# Altium PCB PCB1.PcbDoc
Units mm, origin at the board's own origin, x right, y up, seen from the top; angles counter-clockwise.
Board outline 65 x 31.07 mm, 2 copper layers (Top Layer, Bottom Layer); 15 components, 17 nets, 91 pads, 20 vias.
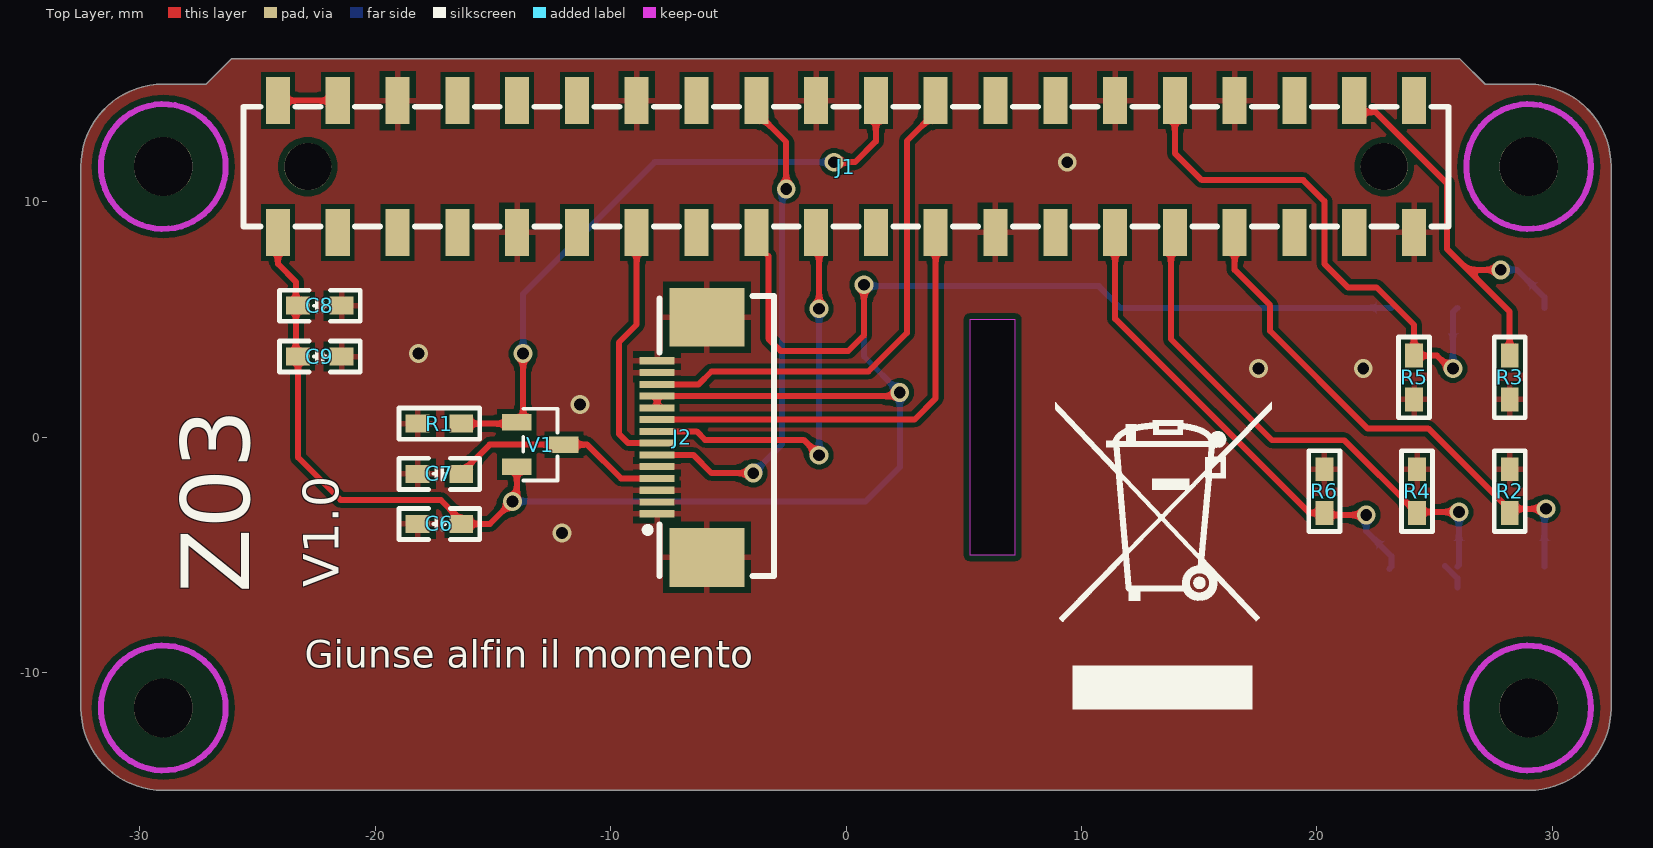
[diagram p0: Top Layer view]
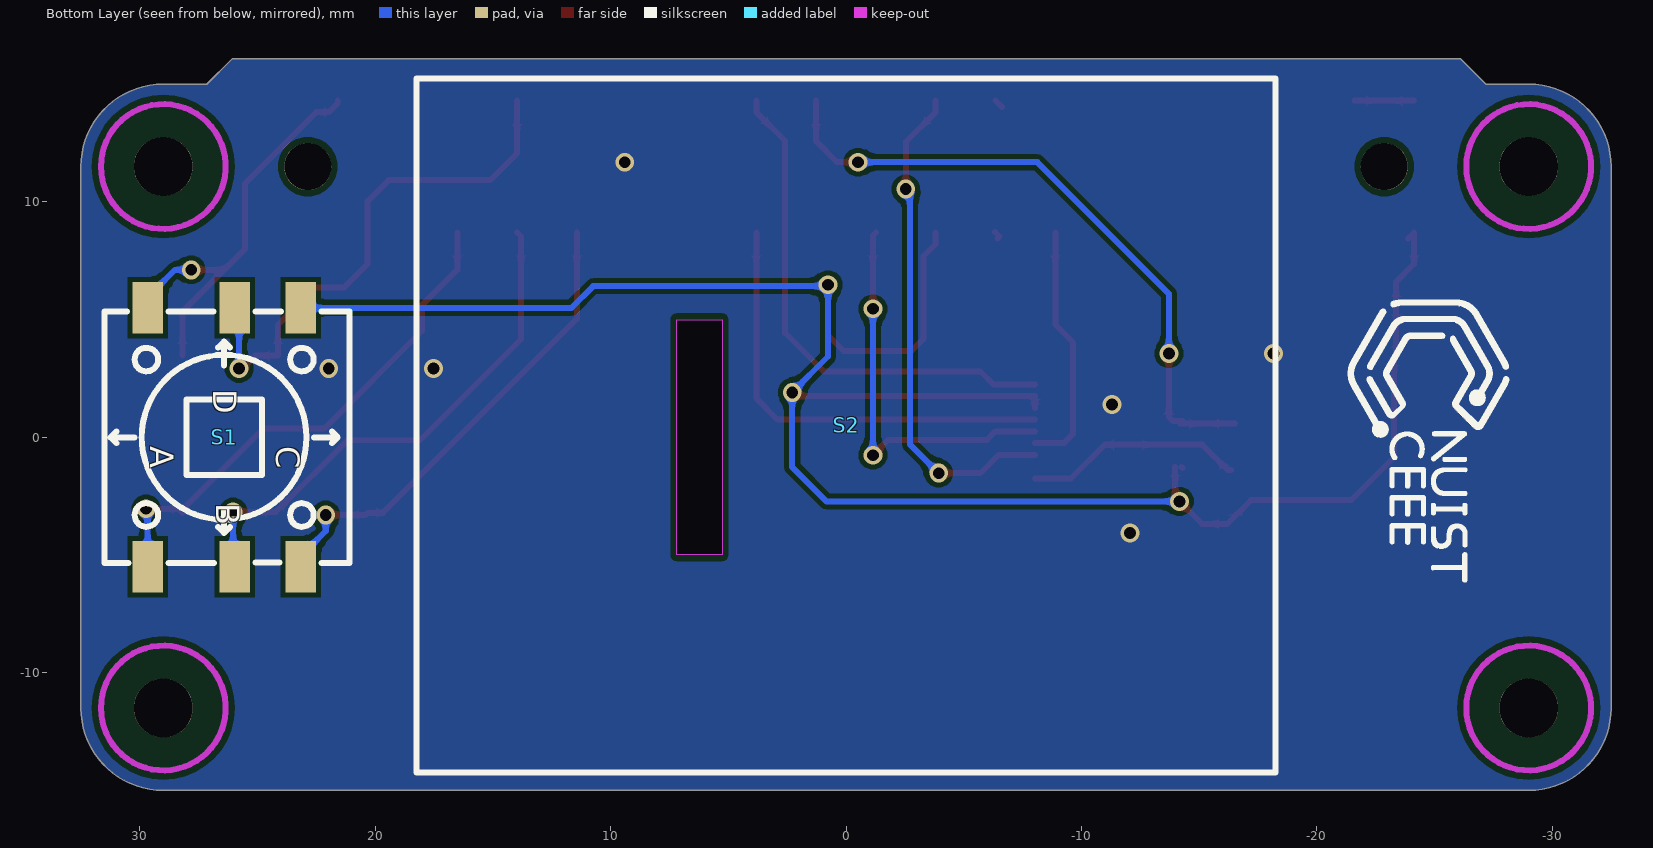
[diagram p1: Bottom Layer view, seen from below]
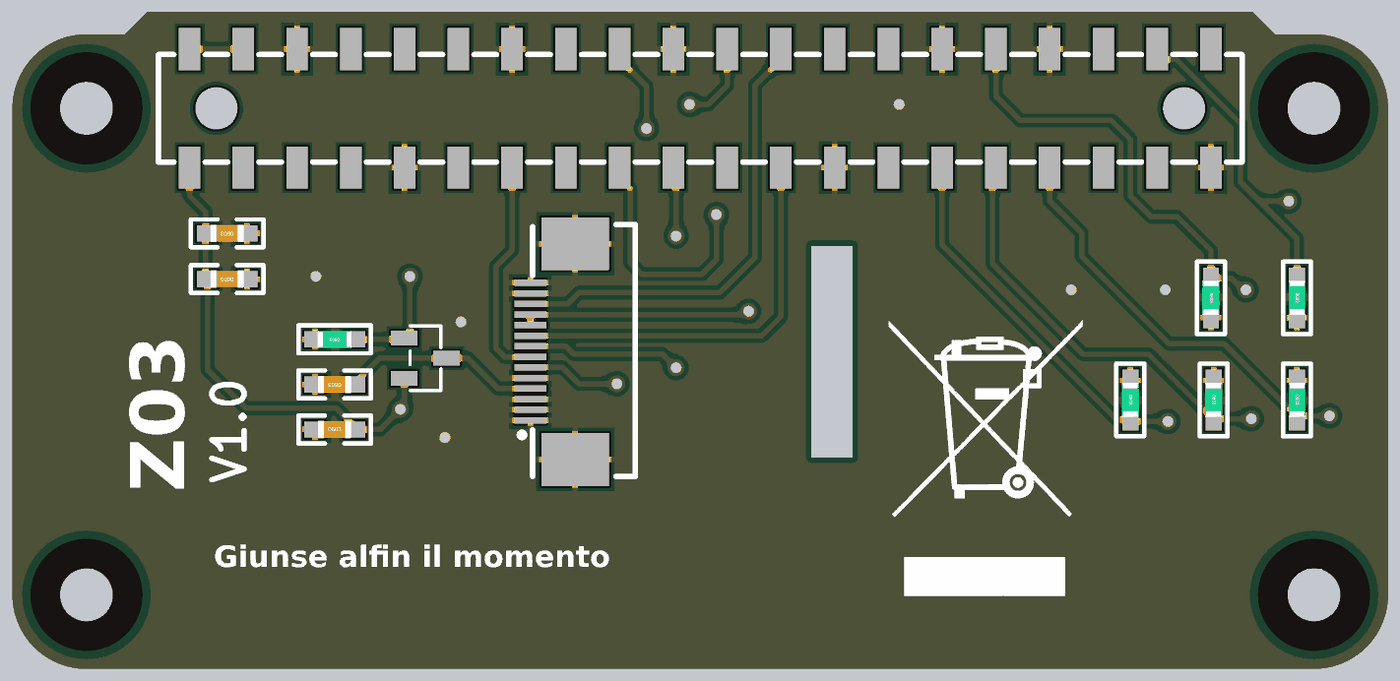
[diagram p2: 3D render of the assembled board from above, using the file's embedded part models]

## Layer stack, top to bottom
Top Solder: solder mask 0.0102, Solder Resist, Dk 3.5
Top Layer: signal copper 0.0356
Dielectric 1: dielectric 0.32, FR-4, Dk 4.8
Bottom Layer: signal copper 0.0356
Bottom Solder: solder mask 0.0102, Solder Resist, Dk 3.5

## Board outline
-32.5,-11.5 ccw(c-29,-11.5) -29,-15 29,-15 ccw(c29,-11.5) 32.5,-11.5 32.5,11.5 ccw(c29,11.5) 29,15 27.151,15 26.079,16.072 -26.118,16.072 -27.19,15 -29,15 ccw(c-29,11.5) -32.5,11.5
cut-out: 5.254,-5 7.195,-5 7.195,5 5.254,5

## Design rules (kind name [scope] priority, off if disabled: settings)
Clearance [All] p1: gap=0.254 ignorepadtopadclearanceinfootprint=TRUE except(0: Arc-Hole Track-Hole SMDPad-Hole THPad-Hole Via-Hole Fill-Hole Poly-Hole Region-Hole Text-Hole; 0.2: Arc-Arc Arc-Track Arc-SMDPad Track-Track Track-SMDPad Track-Poly SMDPad-Poly Via-Poly)
PolygonConnect [All] p1: thpad.connectstyle=Relief thpad.reliefconductorwidth=0.254 thpad.reliefentries=4 thpad.polygonreliefangle="90 Angle" thpad.airgapwidth=0.254 smdpad.connectstyle=Relief smdpad.reliefconductorwidth=0.254 smdpad.reliefentries=4 smdpad.polygonreliefangle="90 Angle" smdpad.airgapwidth=0.254 via.connectstyle=Direct via.reliefconductorwidth=0.254 via.reliefentries=4 via.polygonreliefangle="90 Angle" via.airgapwidth=0.254
RoutingVias [All] p1: holewidth=0.711 width=1.27 viastyle="Through Hole" minholewidth=0.711 minwidth=1.27 maxholewidth=0.711 maxwidth=1.27
SolderMaskExpansion [All] p1: expansion=0.102 istentingtop=FALSE
Width [All] p1: maxlimit=0.254 minlimit=0.254 preferedwidth=0.254
30 further rules are at their usual default settings.

## Components (designator, comment, footprint, x,y, rotation, side; value= is the part's Value field where it differs from the comment)
C6 "10uF" "C 0603_M" -17.272,-3.683 r0 top
C7 "10uF" "C 0603_M" -17.272,-1.553 r180 top
C8 "10nF" "C 0603_M" -22.352,5.588 r180 top
C9 "100nF" "C 0603_M" -22.352,3.429 r180 top
J1 "RPI HEADER" "HEADER 2*20 SMD BACK" 0,11.5 r0 top locked
J2 "LCD 1.44" FPC-14PIN-0.5 -6.902,0 r90 top locked
R1 "10K" "R 0603-HP" -17.272,0.578 r180 top
R2 "10K" "R 0603-HP" 28.194,-2.286 r270 top
R3 "10K" "R 0603-HP" 28.194,2.54 r270 top
R4 "10K" "R 0603-HP" 24.257,-2.286 r270 top
R5 "10K" "R 0603-HP" 24.13,2.54 r270 top
R6 "10K" "R 0603-HP" 20.32,-2.286 r270 top
S1 "5D SWITCH" "5D SWITCH" 26.416,0 r270 bottom locked
S2 "SCREEN" SCREEN 0,0.5 r0 bottom locked
V1 "PMOS" SOT-23 -14.151,-0.233 r270 top

## Footprints (in the part's own frame and the unit in brackets; to place one, negate y for a bottom-side part, rotate by r counter-clockwise, add the part's x,y. Pads: shape width x height; smd on the part's side, far side on the other; paste and mask are expansions set on the pad)
"5D SWITCH" [mm]
  rect 2.2x1.3 smd: 1(5.5,-3.25) 2(5.5,0.45) 3(5.5,3.25) 4(-5.5,3.25) 5(-5.5,0.45) 6(-5.5,-3.25)
  silkscreen extent -5.35,-5.08 5.33,5.33
"C 0603_M" [mil] "无极性贴片电容"
  rect 40x30 smd: 1(-36.5,0) 2(36.5,0)
  silkscreen extent -68,-26 68,26, body extent -31,-16 31,16, height 32
FPC-14PIN-0.5 [mm] "https://item.szlcsc.com/604977.html"
  rect 0.3x1.5 smd: 1(-3.25,1.123) 2(-2.75,1.123) 3(-2.25,1.123) 4(-1.75,1.123) 5(-1.25,1.123) 6(-0.75,1.123) 7(-0.25,1.123) 8(0.25,1.123) 9(0.75,1.123) 10(1.25,1.123) 11(1.75,1.123) 12(2.25,1.123) 13(2.75,1.123) 14(3.25,1.123)
  rect 2.5x3.2 smd: 15(5.1,-0.996) 16(-5.1,-0.996)
  silkscreen extent -5.9,-3.83 6,1.65
"HEADER 2*20 SMD BACK" [mm] "https://item.szlcsc.com/2784386.html"
  rect 1.02x2 smd: 1(-24.13,-2.8) 2(-24.13,2.8) 3(-21.59,-2.8) 4(-21.59,2.8) 5(-19.05,-2.8) 6(-19.05,2.8) 7(-16.51,-2.8) 8(-16.51,2.8) 9(-13.97,-2.8) 10(-13.97,2.8) 11(-11.43,-2.8) 12(-11.43,2.8) 13(-8.89,-2.8) 14(-8.89,2.8) 15(-6.35,-2.8) 16(-6.35,2.8) 17(-3.81,-2.8) 18(-3.81,2.8) 19(-1.27,-2.8) 20(-1.27,2.8) 21(1.27,-2.8) 22(1.27,2.8) 23(3.81,-2.8) 24(3.81,2.8) 25(6.35,-2.8) 26(6.35,2.8) 27(8.89,-2.8) 28(8.89,2.8) 29(11.43,-2.8) 30(11.43,2.8) 31(13.97,-2.8) 32(13.97,2.8) 33(16.51,-2.8) 34(16.51,2.8) 35(19.05,-2.8) 36(19.05,2.8) 37(21.59,-2.8) 38(21.59,2.8) 39(24.13,-2.8) 40(24.13,2.8)
  round 2 hole 2 unplated: ""(-22.86,0) ""(22.86,0)
  silkscreen extent -25.6,-2.54 25.6,2.54
"R 0603-HP" [mil] "1/10W高精度贴片电阻"
  rect 40x30 smd: 1(-36.5,0) 2(36.5,0)
  silkscreen extent -68,-26 68,26, body extent -31,-16 32,16, height 16
SCREEN [mm]
  silkscreen extent -18.25,-14.75 18.25,14.75
SOT-23 [mm]
  rect 0.7x1.25 smd: 1(-0.872,0.169) 2(1.028,0.169) 3(0.078,2.169)
  silkscreen extent -1.45,0.44 1.6,1.9

## Part data
C6 C7 C8 C9: library part C, "无极性贴片电容", BOM名称=无极性贴片电容
R1 R2 R3 R4 R5 R6: library part R, "贴片电阻", BOM名称=贴片电阻, 学习资源=www.ooocke.com, 版权归属=源创客

## Free pads (board coordinates)
  round 2.5 hole 2.5 unplated: ""(-29,-11.5) ""(-29,11.5) ""(29,-11.5) ""(29,11.5)

## Via types
v1: diameter 0.8, hole 0.5, Top Layer to Bottom Layer, tented both sides, 20 vias

## Nets (pads, with @x,y where several pads share a name; then routed paths per layer and width w, separated by ;. In a path a pad name is that pad's centre, name@x,y a point inside that pad or via, vN(x,y) a via of type N, cw(c..) or ccw(c..) an arc to the next point about the centre after c; other vN are vias at no path point)
+5: J1.2 J1.4 | length 2.5
  Top Layer w0.254: J1.2 J1.4
BL: J1.22 R1.1 V1.1 | length 27.8
  Top Layer w0.254: R1.1@-16.516,0.578 -14.302,0.578 -14.196,0.578 -14.302,0.684 -13.894,0.684 -13.716,0.862 v1(-13.716,3.556) ; v1(-0.508,11.684) 0.381,11.684 1.27,12.573 J1.22
  Bottom Layer w0.254: v1(-13.716,3.556) -13.716,6.096 -8.128,11.684 v1(-0.508,11.684)
CLK: J1.23 J2.9 | length 19.3
  Top Layer w0.254: J2.9 2.909,0.75 3.81,1.651 J1.23
CS: J1.24 J2.12 | length 21.9
  Top Layer w0.254: J2.12 -6.259,2.25 -5.715,2.794 0.949,2.794 2.591,4.436 2.591,12.591 3.81,13.81 J1.24
DC: J1.13 J2.7 | length 10.7
  Top Layer w0.254: J1.13 -8.89,4.79 -9.652,4.028 -9.652,0.149 -9.253,-0.25 J2.7
DIN: J1.19 J2.8 | length 16.8
  Top Layer w0.254: J2.8 -6.346,0.25 -5.988,-0.108 -1.797,-0.108 v1(-1.143,-0.762) ; J1.19 -1.143,8.573 v1(-1.143,5.461)
  Bottom Layer w0.254: v1(-1.143,-0.762) v1(-1.143,5.461)
GND: C6.1 C7.2 C8.1 C9.1 J1.6 J1.9 J1.14 J1.20 J1.25 J1.30 J1.34 J1.39 J2.1 J2.2 J2.3 J2.5 J2.13 J2.14 J2.15 J2.16 R1.2 R2.1 R3.2 R4.1 R5.2 R6.1
  other v1: -12.065,-4.064 -11.303,1.397 17.526,2.921 21.971,2.921 -18.161,3.556 9.398,11.684
GPIO3: J1.15 | length 0.4
  Top Layer w0.254: J1.15@-6.431,8.439 -6.521,8.529 J1.15 J1.15@-6.32,8.73
GPIO4: J1.16 | length 0.4
  Top Layer w0.254: J1.16@-6.617,14.033 J1.16
GPIO21: J1.29 R6.2 S1.3 | length 20.6
  Top Layer w0.254: J1.29 11.43,5.029 19.672,-3.213 R6.2 20.409,-3.302 v1(22.098,-3.302)
  Bottom Layer w0.254: v1(22.098,-3.302) 22.098,-3.982 23.166,-5.05 S1.3 S1.3@23.078,-5.588
GPIO22: J1.31 R4.2 S1.2 | length 23.4
  Top Layer w0.254: J1.31 13.805,8.535 13.805,4.166 18.098,-0.127 21.171,-0.127 24.219,-3.175 v1(26.035,-3.175)
  Bottom Layer w0.254: S1.2@25.443,-5.461 25.966,-5.984 S1.2@25.966,-6.389 ; S1.2 26.035,-5.431 v1(26.035,-3.175)
GPIO23: J1.33 R2.2 S1.1 | length 22.4
  Top Layer w0.254: J1.33 16.51,7.112 18.018,5.604 18.018,4.512 22.149,0.381 24.727,0.381 28.194,-3.086 R2.2 28.368,-3.039 v1(29.731,-3.039)
  Bottom Layer w0.254: S1.1 29.666,-3.103 v1(29.731,-3.039)
GPIO26: J1.32 R5.1 S1.5 | length 22.8
  Top Layer w0.254: J1.32 13.97,12.065 15.113,10.922 19.431,10.922 20.32,10.033 20.32,7.366 21.317,6.369 22.536,6.369 24.13,4.775 R5.1 25.106,3.467 25.652,2.921 v1(25.781,2.921)
  Bottom Layer w0.254: v1(25.781,2.921) 25.781,5.315 S1.5
GPIO28: J1.38 R3.1 S1.6 | length 18.1
  Top Layer w0.254: J1.38 21.59,14.193 21.973,13.81 22.503,13.81 25.527,10.786 25.527,8.001 26.416,7.112 ; v1(27.813,7.112) 26.416,7.112 ; R3.1 28.194,5.334 26.416,7.112
  Bottom Layer w0.254: v1(27.813,7.112) 28.504,7.112 29.666,5.95 S1.6
LED+: C7.1 J2.4 V1.3 | length 9.4
  Top Layer w0.254: C7.1@-16.345,-1.391 -16.218,-1.391 -15.138,-0.311 V1.3 -10.992,-0.311 -9.553,-1.75 J2.4@-8.025,-1.75
RST: J1.18 J2.6 | length 21.3
  Top Layer w0.254: J2.6 -6.489,-0.75 -5.715,-1.524 v1(-3.937,-1.524) ; J1.18 -3.81,13.81 -2.54,12.54 v1(-2.54,10.541)
  Bottom Layer w0.254: v1(-3.937,-1.524) -2.715,-0.302 -2.715,10.366 v1(-2.54,10.541)
VCC: C6.2 C8.2 C9.2 J1.1 J1.17 J2.10 J2.11 S1.4 V1.2 | length 93.1
  Top Layer w0.254: J1.1@-23.876,8.446 J1.1 -24.13,7.366 -23.368,6.604 -23.368,3.518 C9.2 -23.279,-0.851 -21.463,-2.667 -17.208,-2.667 -16.192,-3.683 -15.126,-3.683 v1(-14.167,-2.724) -14.167,-2.576 -13.982,-2.391 V1.2 ; V1.2@-14.3,-1.304 V1.2@-14.257,-1.261 ; J2.10 J2.11 1.983,1.75 2.138,1.905 v1(2.286,1.905) ; J1.17 -3.81,8.21 -3.302,7.702 -3.302,4.191 -2.774,3.663 0.095,3.663 0.762,4.33 v1(0.762,6.477)
  Bottom Layer w0.254: v1(-14.167,-2.724) 0.832,-2.724 2.286,-1.27 v1(2.286,1.905) 0.762,3.429 v1(0.762,6.477) 0.819,6.42 10.738,6.42 11.658,5.5 S1.4
pads on no net: J1. J1.3 J1.5 J1.7 J1.8 J1.10 J1.11 J1.12 J1.21 J1.26 J1.27 J1.28 J1.35 J1.36 J1.37 J1.40

## Polygon pours and split planes (outlines as drawn)
GND on Bottom Layer "GND_L02_P002" (solid, remove dead copper, pour order 2): -32.5,-11.5 ccw(c-29,-11.5) -29,-15 29,-15 ccw(c29,-11.5) 32.5,-11.5 32.5,11.5 ccw(c29,11.5) 29,15 27.151,15 26.079,16.072 -26.118,16.072 -27.19,15 -29,15 ccw(c-29,11.5) -32.5,11.5
GND on Top Layer "GND_L01_P000" (solid, remove dead copper, pour order 0): -32.5,-11.5 ccw(c-29,-11.5) -29,-15 29,-15 ccw(c29,-11.5) 32.5,-11.5 32.5,11.5 ccw(c29,11.5) 29,15 27.151,15 26.079,16.072 -26.118,16.072 -27.19,15 -29,15 ccw(c-29,11.5) -32.5,11.5

## Keep-outs
Keep-Out Layer:
  circle w0.254: c-29,11.5 r2.65
  circle w0.254: c-29,-11.5 r2.65
  circle w0.254: c29,11.5 r2.65
  circle w0.254: c29,-11.5 r2.65

## Silkscreen, mask and mechanical layers (free items; w line width, h text height)
Top Overlay:
  drawing of 3 lines, arcs and shapes, not listed
  text "V1.0" at -21.538,-6.37 h1.52 r90
  text "Z03" at -24.395,-6.624 h5 r90
  text "Giunse alfin il momento" at -22.987,-10.182 h2
Bottom Overlay:
  drawing of 15 lines, arcs and shapes, not listed
Top Solder:
  region: -29,8.85 cw(c-29,11.5) -31.65,11.5 cw(c-29,11.5) -29,14.15 cw(c-29,11.5) -26.35,11.5 cw(c-29,11.5)
  region: -31.65,-11.5 ccw(c-29,-11.5) -29,-14.15 ccw(c-29,-11.5) -26.35,-11.5 ccw(c-29,-11.5) -29,-8.85 ccw(c-29,-11.5)
  region: 26.35,11.5 ccw(c29,11.5) 29,8.85 ccw(c29,11.5) 31.65,11.5 ccw(c29,11.5) 29,14.15 ccw(c29,11.5)
  region: 26.35,-11.5 ccw(c29,-11.5) 29,-14.15 ccw(c29,-11.5) 31.65,-11.5 ccw(c29,-11.5) 29,-8.85 ccw(c29,-11.5)
Bottom Solder:
  region: -29,8.85 cw(c-29,11.5) -31.65,11.5 cw(c-29,11.5) -29,14.15 cw(c-29,11.5) -26.35,11.5 cw(c-29,11.5)
  region: -31.65,-11.5 ccw(c-29,-11.5) -29,-14.15 ccw(c-29,-11.5) -26.35,-11.5 ccw(c-29,-11.5) -29,-8.85 ccw(c-29,-11.5)
  region: 26.35,11.5 ccw(c29,11.5) 29,8.85 ccw(c29,11.5) 31.65,11.5 ccw(c29,11.5) 29,14.15 ccw(c29,11.5)
  region: 26.35,-11.5 ccw(c29,-11.5) 29,-14.15 ccw(c29,-11.5) 31.65,-11.5 ccw(c29,-11.5) 29,-8.85 ccw(c29,-11.5)
Mechanical 1:
  lines w0.254: -32.5,-11.5 ccw(c-29,-11.5) -29,-15 29,-15 ccw(c29,-11.5) 32.5,-11.5 32.5,11.5 ccw(c29,11.5) 29,15 27.19,15 27.151,15 26.079,16.072 -26.118,16.072 -27.19,15 -29,15 ccw(c-29,11.5) -32.5,11.5 -32.5,3.189 -32.5,-11.5 ; 5.254,-5 5.254,5 7.195,5 7.195,-5 5.254,-5

## Text inside footprints (layer, text, board x,y; h text height)
S1: Bottom Overlay "B" at 26.751,-2.794 h1 r90; Bottom Overlay "A" at 29.545,-0.381 h1 r90; Bottom Overlay "D" at 26.878,2.032 h1 r90; Bottom Overlay "C" at 24.211,-0.381 h1 r90